# Altium PCB PCB1.PcbDoc (part 1 of 3) (continued)
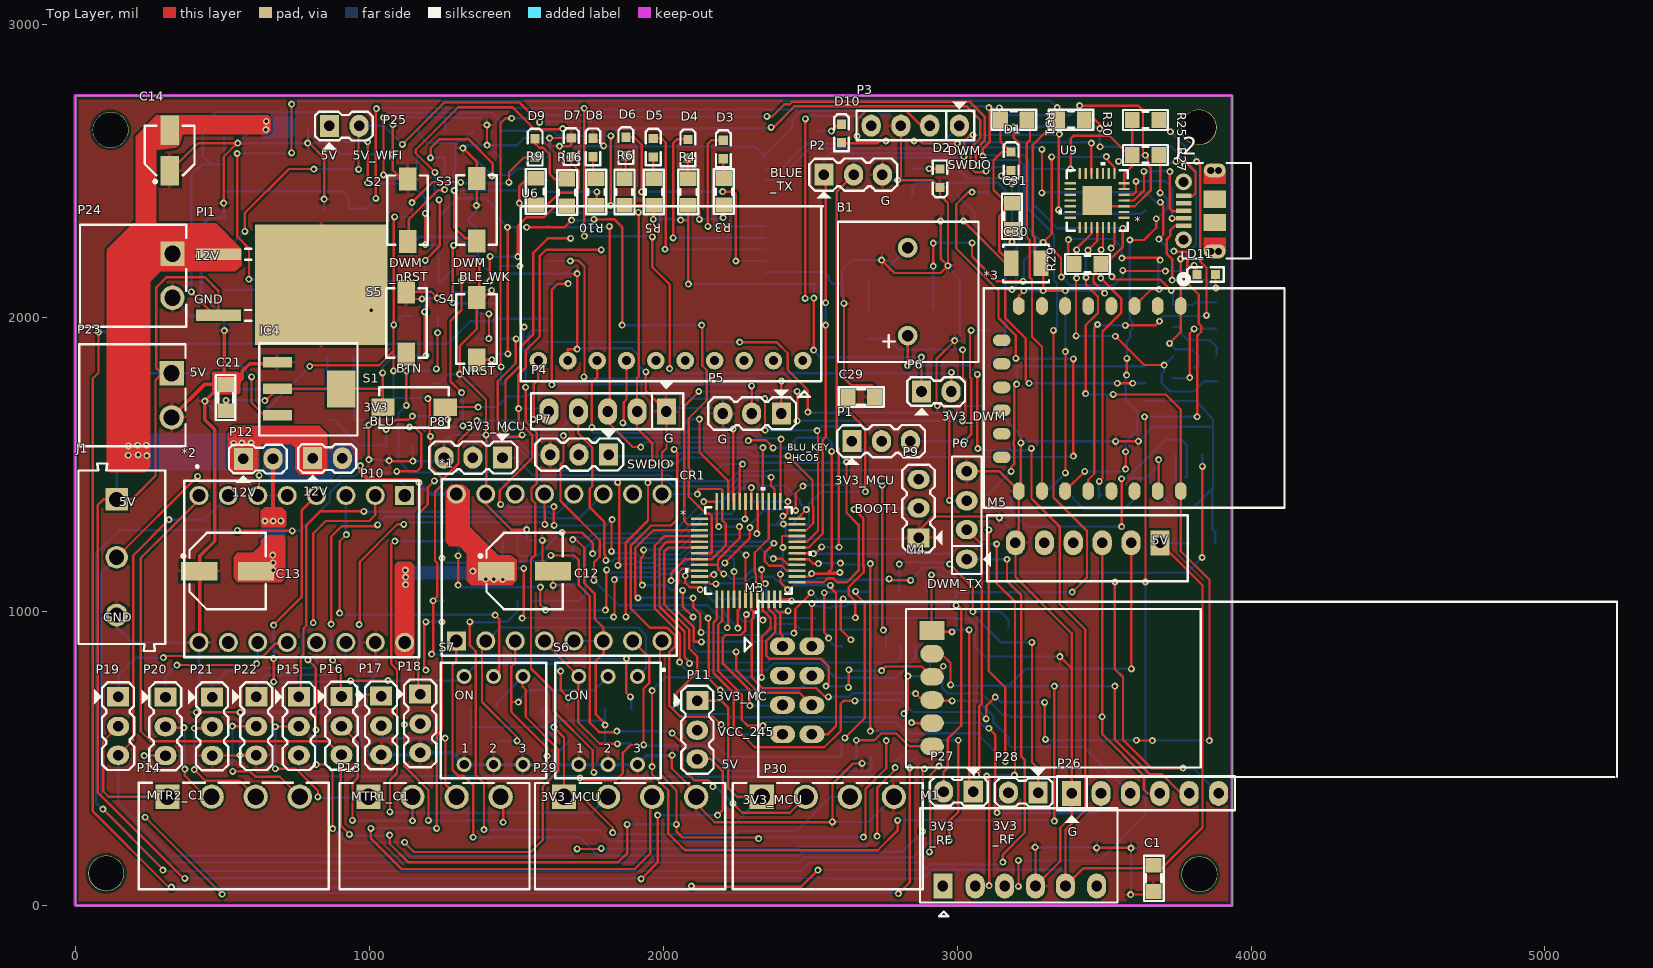
[diagram p0: Top Layer view]
## Footprints (in the part's own frame and the unit in brackets; to place one, negate y for a bottom-side part, rotate by r counter-clockwise, add the part's x,y. Pads: shape width x height; smd on the part's side, far side on the other; paste and mask are expansions set on the pad) (continued)
"CAP ALU SIZE B" [mm] "Capacitor, Aluminium Electrolytric, 4.3mm L X 4.3mm W X 5.4mm H, IPC Medium Density"
  rect 2.55x1.6 smd: 1(-1.75,0) 2(1.75,0)
  silkscreen extent -2.8,-2.15 2.15,2.15, body extent -2.75,-2.25 2.75,2.25, height 5.7
CAP-SM-0805 [mil]
  rect 50x55 smd: 1(0,0) 2(90,0)
  silkscreen extent -32,-34 122,33, body extent 4,-27 86,27, height 30
CAP-SM-AL-SIZE-D-D6L6 [mm] "WH6.6"
  rect 3.15x1.6 smd: 1(-2.45,0) 2(2.45,0)
  silkscreen extent -3.95,-3.3 3.3,3.3, body extent -3.9,-3.4 3.9,3.4, height 5.7
CONN_105017-0001 [mil]
  rect 16x53 smd: 1(-51.18,112) 2(-25.59,112) 3(0,112) 4(25.59,112) 5(51.18,112)
  round 57 hole 33: 6(-98.43,112.98) 7(98.43,112.98)
  rect 59x75 smd: 10(-39.37,6.69) 11(39.37,6.69)
  oval 48x75 smd mask+0: S_1(-137.8,6.69) S_2(137.8,6.69)
  round 24 hole 24: S_1_H1(-137.8,20.19) S_1_H2(-137.8,-6.81) S_2_H1(137.8,20.19) S_2_H2(137.8,-6.81)
  Top Layer region: -91.8,-30.81 -91.8,44.19 -137.8,44.19 -137.8,-30.81
  Top Layer region: 91.8,-30.81 91.8,44.19 137.8,44.19 137.8,-30.81
  Multi-Layer lines w24: -137.8,20.19 -137.8,-6.81 ; 137.8,20.19 137.8,-6.81
  silkscreen extent -247,-117 162,127, body extent -161,-95 161,118, height 108
cp2102-gm [mil]
  rect 38x8 smd paste+0 mask+0: 1(-91.5,59.06) 2(-91.5,39.37) 3(-91.5,19.69) 4(-91.5,0) 5(-91.5,-19.68) 6(-91.5,-39.37) 7(-91.5,-59.06) 15(91.5,-59.06) 16(91.5,-39.37) 17(91.5,-19.68) 18(91.5,0) 19(91.5,19.69) 20(91.5,39.37) 21(91.5,59.06)
  rect 8x38 smd paste+0 mask+0: 8(-59.06,-91.5) 9(-39.37,-91.5) 10(-19.68,-91.5) 11(0,-91.5) 12(19.69,-91.5) 13(39.37,-91.5) 14(59.06,-91.5) 22(59.06,91.5) 23(39.37,91.5) 24(19.69,91.5) 25(0,91.5) 26(-19.68,91.5) 27(-39.37,91.5) 28(-59.06,91.5)
  rect 100x100 smd paste-65.5 mask+0: 29(0,0)
  silkscreen extent -104,-130 130,104, body extent -98,-98 99,99, height 37
D2PAk [mil]
  rect 39x154 smd: 1(-103.94,-349.5) 3(103.94,-349.5)
  rect 411x451 smd: 2(0,0)
  silkscreen extent -122,-258 122,-239, body extent -204,-359 204,172, height 181
DRV8825 [mm]
  round 1.65 hole 1.1: 1(-6.35,-8.89) 2(-6.35,-6.35) 3(-6.35,-3.81) 4(-6.35,-1.27) 5(-6.35,1.27) 6(-6.35,3.81) 7(-6.35,6.35) 9(6.35,8.89) 10(6.35,6.35) 11(6.35,3.81) 12(6.35,1.27) 13(6.35,-1.27) 14(6.35,-3.81) 15(6.35,-6.35) 16(6.35,-8.89)
  rect 1.65x1.65 hole 1.1: 8(-6.35,8.89)
  silkscreen extent -8.95,-10.16 7.62,10.16, body extent -7.75,-10.03 7.49,10.29, height 11.48
DWM1001 [mm]
  rect 2.54x0.65 smd: 1(-9.115,4.085) 2(-9.115,3.085) 3(-9.115,2.085) 4(-9.115,1.085) 5(-9.115,0.085) 6(-9.115,-0.915) 7(-9.115,-1.915) 8(-9.115,-2.915) 9(-9.115,-3.915) 10(-9.115,-4.915) 11(-9.115,-5.915) 12(-9.115,-6.915) 13(-9.115,-7.915) 14(-9.115,-8.915) 15(-9.115,-9.915) 16(-9.115,-10.915) 17(-9.115,-11.915) 18(9.725,-11.915) 19(9.725,-10.915) 20(9.725,-9.915) 21(9.725,-8.915) 22(9.725,-7.915) 23(9.725,-6.915) 24(9.725,-5.915) 25(9.725,-4.915) 26(9.725,-3.915) 27(9.725,-2.915) 28(9.725,-1.915) 29(9.725,-0.915) 30(9.725,0.085) 31(9.725,1.085) 32(9.725,2.085) 33(9.725,3.085) 34(9.725,4.085)
  silkscreen extent -10.99,-13.07 9.72,13.06, body extent -9.23,-13.01 9.9,13.11, height 3.2
ESP8266 [mil]
  oval 60x40 smd: 1(0,551.18) 2(0,472.44) 3(0,393.7) 4(0,314.96) 5(0,236.22) 6(0,157.48) 7(0,78.74) 8(0,0) 15(629.92,0) 16(629.92,78.74) 17(629.92,157.48) 18(629.92,236.22) 19(629.92,314.96) 20(629.92,393.7) 21(629.92,472.44) 22(629.92,551.18)
  oval 40x60 smd: 9(117,-58) 10(197,-58) 11(277,-58) 12(355,-58) 13(435,-58) 14(515,-58)
  silkscreen extent -60,-120 687,904, body extent 1,-60 631,885, height 104
"GY 9250" [mil]
  round 60 hole 30: 1(0,900) 2(0,800) 3(0,700) 4(0,600) 5(0,500) 6(0,400) 7(0,300) 8(0,200) 9(0,100) 10(0,0)
  silkscreen extent -125,-68 525,960, body extent -60,-50 530,950, height 487
HC12 [mil]
  oval 80x60 smd: 1(0,0) 2(0,100) 3(0,200) 4(0,300) 5(0,400)
  silkscreen extent -47,-71 1043,453, body extent -47,-71 1043,453, height 1025
HC-05-06-SMD [mil]
  oval 60x40 smd: 1(0,710) 2(0,650) 3(0,590) 4(0,530) 5(0,470) 6(0,420) 7(0,360) 8(0,300) 9(0,240) 10(0,180) 11(0,120) 12(0,60) 13(0,0) 22(535,0) 23(535,60) 24(535,120) 25(535,180) 26(535,240) 27(535,290) 28(535,350) 29(535,410) 30(535,470) 31(535,530) 32(535,590) 33(535,650) 34(535,710)
  oval 40x60 smd: 14(60,-60) 15(120,-60) 16(180,-60) 17(240,-60) 18(300,-60) 19(360,-60) 20(420,-60) 21(480,-60)
  silkscreen extent -50,-138 588,1079, body extent -9,-68 543,1035, height 93
HC-05-06-TH [mil]
  rect 85x65 hole 36: 1(0,0)
  oval 85x65 hole 36: 2(0,110) 3(0,210) 4(0,315) 5(0,417) 6(0,523)
  silkscreen extent -265,-78 103,594, body extent -242,-49 16,581, height 1628
Holybro [mil]
  rect 85x65 hole 36: 1(0,0)
  oval 85x65 hole 36: 2(0,98.42) 3(0,196.85) 4(0,295.28) 5(0,393.7) 6(0,492.13)
  silkscreen extent -131,-94 94,589, body extent -134,-96 96,588, height 284
IRLML6402TRPBF [mil]
  rect 22x34 smd paste+0 mask+0: 1(-37.5,-47) 2(37.5,-47) 3(0,47)
  silkscreen extent -114,-55 64,33, body extent -59,-50 59,50, height 43
JP2 [mil]
  rect 65x75 hole 36: 1(0,0)
  oval 65x75 hole 36: 2(101,0)
  silkscreen extent -49,-81 148,48, body extent -48,-50 148,48, height 323
JP3 [mil] "Jumper 3"
  rect 65x75 hole 36: 1(-100,0)
  oval 65x75 hole 36: 2(1,0) 3(99,0)
  silkscreen extent -150,-81 149,55, body extent -150,-60 150,55, height 355
jp3 [mil] "Jumper 3"
  rect 65x75 hole 36: 1(-100,0)
  oval 65x75 hole 36: 2(1,0) 3(99,0)
  silkscreen extent -150,-81 149,55, body extent -150,-60 150,55, height 355
JP4 [mil] "Jumper 4"
  oval 65x75 hole 36: 1(-100,0) 2(1,0) 3(99,0) 4(200,0)
  silkscreen extent -150,-81 250,50, body extent -148,-48 248,50, height 323
JP5 [mil] "JP5"
  rect 65x90 hole 36: 1(0,0)
  oval 65x90 hole 36: 2(100,0) 3(200,0) 4(300,0) 5(400,0)
  silkscreen extent -57,-101 461,60, body extent -48,-53 448,45, height 323
JP6 [mil] "JP6"
  rect 65x85 hole 36: 1(0,0)
  oval 65x85 hole 36: 2(100,0) 3(200,0) 4(300,0) 5(400,0) 6(500,0)
  silkscreen extent -50,-99 556,58, body extent -48,-50 548,48, height 323
LC12S [mil]
  rect 85x65 smd: 1(0,0)
  oval 80x60 smd: 2(0,78.74) 3(0,157.48) 4(0,236.22) 5(0,314.96) 6(0,393.7)
  silkscreen extent -914,-73 89,466, body extent -914,-236 3,466, height 87
LED_0603_Blue [mm] "Chip LED, 2-Leads, Body 1.6x0.8mm, IPC Medium Density"
  rect 0.8x0.8 smd: 1(-0.8,0) 2(0.8,0)
  silkscreen extent -1.52,-0.64 1.65,0.64, body extent -0.8,-0.4 0.8,0.4, height 0.7
NRF24L01 [mil]
  oval 86x60 hole 36: 1(0,0) 2(-100,0) 3(0,100) 4(-100,100) 5(0,200) 6(-100,200) 7(0,300) 8(-100,300)
  silkscreen extent -2840,-155 129,445, body extent -2831,-155 82,445, height 3831
RES-SM-0805 [mil]
  rect 50x55 smd: 1(0,0) 2(90,0)
  silkscreen extent -31,-34 121,34, body extent -5,-24 95,25, height 20
SOT23_NEX [mil]
  rect 22x52 smd paste+0 mask+4: 1(-37.5,-37.21) 2(37.5,-37.21) 3(0,33.36)
  silkscreen extent -85,-50 64,33, body extent -59,-54 59,44, height 43
STM32F103C8T6 [mil]
  rect 58x9 smd paste+0 mask+0: 1(-166,108.27) 2(-166,88.58) 3(-166,68.9) 4(-166,49.21) 5(-166,29.53) 6(-166,9.84) 7(-166,-9.84) 8(-166,-29.53) 9(-166,-49.21) 10(-166,-68.9) 11(-166,-88.58) 12(-166,-108.27) 25(166,-108.27) 26(166,-88.58) 27(166,-68.9) 28(166,-49.21) 29(166,-29.53) 30(166,-9.84) 31(166,9.84) 32(166,29.53) 33(166,49.21) 34(166,68.9) 35(166,88.58) 36(166,108.27)
  rect 9x58 smd paste+0 mask+0: 13(-108.27,-166) 14(-88.58,-166) 15(-68.9,-166) 16(-49.21,-166) 17(-29.53,-166) 18(-9.84,-166) 19(9.84,-166) 20(29.53,-166) 21(49.21,-166) 22(68.9,-166) 23(88.58,-166) 24(108.27,-166) 37(108.27,166) 38(88.58,166) 39(68.9,166) 40(49.21,166) 41(29.53,166) 42(9.84,166) 43(-9.84,166) 44(-29.53,166) 45(-49.21,166) 46(-68.9,166) 47(-88.58,166) 48(-108.27,166)
  silkscreen extent -215,-215 215,215, body extent -180,-182 182,180, height 63
TAJB107M006RNJ [mil]
  rect 49.98x87 smd paste+0 mask+0: 1(-51.01,0) 2(51.01,0)
  silkscreen extent -78,-64 78,64, body extent -73,-59 73,59, height 85
XC6204B332MR [mil]
  rect 44.5x17 smd paste+0 mask+0: 1(-54.75,37.4) 2(-54.75,0) 3(-54.75,-37.4) 4(54.75,-37.4) 5(54.75,37.4)
  body extent -55,-57 55,57, height 51

## Part data
1 R2 R7 R8 R9 R10 R14 R15 R17 R18 R19 R20 R21 R22 R23 R24: "RES 1K OHM 1% 1/4W 0805", Manufacturer="Stackpole Electronics Inc", Manufacturer Part Number=RNCP0805FTD1K00, Supplier 1 Part Number=RNCP0805FTD1K00CT-ND, Local Supplier=thegioiic, Local Supplier Link=https://thegioiic.com/products/dien-tro-1k-ohm-0805-5, Supplier 1=Digikey, Supplier 1 Link=https://www.digikey.com/product-detail/en/stackpole-electronics-inc/RNCP0805FTD1K00/RNCP0805FTD1K00CT-ND/2240568
C1 C2 C3 C6 C7 C8 C9 C10 C24 C25 C26 C27 C29 C31 C32 C33 C34 C35: "CAP CER 1000PF 100V X7R 0805", Manufacturer="Johanson Dielectrics Inc.", Manufacturer Part Number=101X15W102MV4E, Supplier 1 Part Number=709-1335-1-ND, Local Supplier=thegioiic, Local Supplier Link=https://thegioiic.com/products/tu-1nf-50v-0805, Supplier 1=Digikey, Supplier 1 Link=https://www.digikey.com/product-detail/en/johanson-dielectrics-inc/101X15W102MV4E/709-1335-1-ND/2327235
C4 C5: "CAP CER 4.7UF 50V X5R 0805", Manufacturer="Murata Electronics", Manufacturer Part Number=GRM21BR61H475KE51L, Supplier 1 Part Number=490-10751-1-ND, Local Supplier=thegioiic, Local Supplier Link=https://thegioiic.com/products/tu-4-7uf-50v-0805-cap, Supplier 1=Digikey, Supplier 1 Link=https://www.digikey.com/product-detail/en/murata-electronics/GRM21BR61H475KE51L/490-10751-1-ND/5251349
C11 C15 C16 C17 C18 C19 C20 C21 C23: "CAP CER 10UF 50V X5R 0805", Manufacturer=Yageo, Manufacturer Part Number=CC0805KKX5R9BB106, Supplier 1 Part Number=311-3499-2-ND, Local Supplier=thegioiic, Local Supplier Link=https://thegioiic.com/products/tu-10uf-50v-0805, Supplier 1=Digikey, Supplier 1 Link=https://www.digikey.com/product-detail/en/yageo/CC0805KKX5R9BB106/311-3499-2-ND/7164383
C12: "CAP ALUM 100UF 20% 16V SMD", Manufacturer=Nichicon, Manufacturer Part Number=UWX1C101MCL1GB, Supplier 1 Part Number=493-2105-1-ND, Local Supplier=thegioiic, Local Supplier Link=https://thegioiic.com/products/tu-nhom-smd-100uf-16v-d6-3l5-4, Supplier 1=Digikey, Supplier 1 Link=https://www.digikey.com/product-detail/en/nichicon/UWX1C101MCL1GB/493-2105-1-ND/590080
C13: library part Cap-Al-100uF-16V-D6L5, "CAP ALUM 100UF 20% 16V SMD", Manufacturer=Nichicon, Manufacturer Part Number=UWX1C101MCL1GB, Supplier 1 Part Number=493-2105-1-ND, Local Supplier=thegioiic, Local Supplier Link=https://thegioiic.com/products/tu-nhom-smd-100uf-16v-d6-3l5-4, Supplier 1=Digikey, Supplier 1 Link=https://www.digikey.com/product-detail/en/nichicon/UWX1C101MCL1GB/493-2105-1-ND/590080
C14: "Polarized Capacitor (Radial)"
C22: "CAP CER 0.1UF 50V Y5V 0805", Manufacturer="Samsung Electro-Mechanics", Manufacturer Part Number=CL21F104ZBCNNNC, Supplier 1 Part Number=1276-1007-1-ND, Local Supplier=thegioiic, Local Supplier Link=https://thegioiic.com/products/tu-100nf-0-1uf-50v-0805, Supplier 1=Digikey, Supplier 1 Link=https://www.digikey.com/product-detail/en/samsung-electro-mechanics/CL21F104ZBCNNNC/1276-1007-1-ND/3889093
C28: "Capacitor"
J1: "WR-TBL Serie 102 Horizontal Entry Modular, Pressure Clamp, pitch 5mm, 3p", Operating Temperature="-40 to +105degC", Rated Current [UL]=15A, Working Voltage [UL]=250VAC, Application="Pressure Clamp", Compliance="Lead free / RoHS", ComponentLink1Description=Manufacturer, ComponentLink1URL=http://www.we-online.de, ComponentLink2Description=Datasheet, ComponentLink2URL=https://katalog.we-online.de/em/datasheet/691102710003.pdf, Modularity=Yes, Mounting Technology=THT, Packaging=Box, Part Number=691102710003, PCB/Cable/Panel=PCB, Pin Number=3, Pitch=5mm, Published Date="October 2019", Publisher="Wurth Elektronik", Type=Horizontal
J2 U2 U7 U8: "No Description Available", Copyright="Copyright (C) 2018 Accelerated Designs. All rights reserved", RefDes=RefDes, Type=DEV
  J2: Built_By=EMA_Cory, Datasheet=https://www.molex.com/pdm_docs/sd/1050170001_sd.pdf, Manufacturer_Part_Number=105017-0001, SourceLibrary=Molex_2020-05-26, Vendor="Molex Connector Corporation"
  U2: Built_By=EMA_UL_Team, Manufacturer_Part_Number=74HC245, SourceLibrary=TI_2002-01-01_7, Vendor="Texas Instruments"
  U7 U8: Built_By=EMA_Justin, Manufacturer_Part_Number=IRLML6402TRPBF, Source_Library=Infineon_2020-02-27.xlr, SourceLibrary=Infineon_2020-02-27, Vendor=Infineon
M5: library part Holybro, Supplier=https://www.lazada.vn/products/ld-holybro-433mhz-915-mhz-500-mw-thu-phat-vo-tuyen-xa-bo-v3-cho-pixhawk-4-dieu-khien-chuyen-bay-i430804435-s768474304.html?spm=a2o4n.searchlist.list.4.25396b19yIS9XO&search=1
P1 P2 P5 P7 P11 P15 P16 P17 P18 P19 P20 P21 P22: "Header, 3-Pin", LatestRevisionDate=17-Jul-2002, LatestRevisionNote="Re-released for DXP Platform.", Publisher="Altium Limited"
P3 P6: "Header, 4-Pin", LatestRevisionDate=17-Jul-2002, LatestRevisionNote="Re-released for DXP Platform.", Publisher="Altium Limited"
P4: "Header, 5-Pin", LatestRevisionDate=17-Jul-2002, LatestRevisionNote="Re-released for DXP Platform.", Publisher="Altium Limited"
P6 P10 P12 P25 P27 P28: "Header, 2-Pin", LatestRevisionDate=17-Jul-2002, LatestRevisionNote="Re-released for DXP Platform.", Publisher="Altium Limited"
P8 P9: library part "Header 3", "Header, 3-Pin", LatestRevisionDate=17-Jul-2002, LatestRevisionNote="Re-released for DXP Platform.", Publisher="Altium Limited"
P13 P14 P29 P30: "WR-TBL Serie 322 Horizontal PCB Header, Pluggable, pitch 3.81mm, 4p", Operating Temperature="-40 to +105degC", Rated Current [UL]=10A, Working Voltage [UL]=300VAC, Application=Pluggable, Compliance=RoHS, ComponentLink1Description=Manufacturer, ComponentLink1URL=http://www.we-online.de, ComponentLink2Description=Datasheet, ComponentLink2URL=https://katalog.we-online.de/em/datasheet/691322310004.pdf, Modularity=No, Mounting Technology=THT, Packaging=Box, Part Number=691322310004, PCB/Cable/Panel=PCB, Pin Number=4, Pitch=3.81mm, Published Date="October 2019", Publisher="Wurth Elektronik", Type=Horizontal
P23 P24: "WR-TBL Serie 322 Horizontal PCB Header, Pluggable, pitch 3.81mm, 2p", Operating Temperature="-40 to +105degC", Rated Current [UL]=10A, Working Voltage [UL]=300VAC, Application=Pluggable, Compliance=RoHS, ComponentLink1Description=Manufacturer, ComponentLink1URL=http://www.we-online.de, ComponentLink2Description=Datasheet, ComponentLink2URL=https://katalog.we-online.de/em/datasheet/691322310002.pdf, Modularity=No, Mounting Technology=THT, Packaging=Box, Part Number=691322310002, PCB/Cable/Panel=PCB, Pin Number=2, Pitch=3.81mm, Published Date="October 2019", Publisher="Wurth Elektronik", Type=Horizontal
P26: "Header, 6-Pin", LatestRevisionDate=17-Jul-2002, LatestRevisionNote="Re-released for DXP Platform.", Publisher="Altium Limited"
PI1: library part L7805-SMD_1, Manufacturer_Part_Number=L7805CD2T-TR, Built_By=EMA_UL_Team, Copyright="Copyright (C) 2018 Accelerated Designs. All rights reserved", RefDes=RefDes, Type=DEV, Vendor=STMicroelectronics
R1 R3 R4 R5 R6 R11 R13 R16 R25 R27 R29 R30 R31 R33 R35: "RES 0 OHM JUMPER 0805", Manufacturer="Vishay Dale", Manufacturer Part Number=WSL080500000ZEA9, Supplier 1 Part Number=541-3928-1-ND, Local Supplier=thegioiic, Local Supplier Link=https://thegioiic.com/products/dien-tro-0-ohm-0805-5, Supplier 1=Digikey, Supplier 1 Link=https://www.digikey.com/product-detail/en/vishay-dale/WSL080500000ZEA9/541-3928-1-ND/7423223
R12: "RES 12 KOHM JUMPER 0805", Manufacturer="Vishay Thin Film", Manufacturer Part Number=PAT0805E3121BST1, Supplier 1 Part Number=PAT0805E3121BST1-ND, Local Supplier=icdayroi, Local Supplier Link=https://icdayroi.com/dien-tro-12k-0805-1-goi-50-con, Supplier 1=Digikey, Supplier 1 Link=https://www.digikey.com/product-detail/en/vishay-thin-film/PAT0805E3121BST1/PAT0805E3121BST1-ND/2281536
R26 R28 R32 R34: "RES 470 OHM JUMPER 0805", Manufacturer=YAG6006CT-ND, Manufacturer Part Number=PE0805FRF7W0R047L, Local Supplier=thegioiic, Local Supplier Link=https://www.thegioiic.com/products/dien-tro-470-kohm-0805-5, Supplier 1=Digikey, Supplier 1 Link=https://www.digikey.com/product-detail/en/yageo/PE0805FRF7W0R047L/YAG6006CT-ND/9696460, Supplier 1 Part Number=YAG6006CT-ND
S1 S2 S3 S4 S5: "WS-TASV J-Bend SMT Tact Switch 6x3.5mm, height 4.3mm, 260gf", Operating Temperature="-40 to +85degC", Rated Current=50mA, Rated Voltage=12VDC, ComponentLink1Description=Manufacturer, ComponentLink1URL=http://www.we-online.de, ComponentLink2Description=Datasheet, ComponentLink2URL=https://katalog.we-online.com/em/datasheet/434113043826.pdf, Contact Material="Stainless Steel", Contact Plating=Silver, Height=4.3mm, Mounting Technology=SMT, Operation Force=260gf, Packaging="Tape and Reel", Part Number=434113043826, Published Date="September 2019", Publisher="Wurth Elektronik", Terminal Material="Copper Alloy", Terminal Plating=Silver, Washable=No
S6 S7: "WS-DITV Compact THT Dip Switch, Flat Actuator, pitch 2.54mm, 3p", Operating Temperature="-40 to +85degC", Rated Current Non-Switching=100mA, Rated Current Switching=25mA, Rated Voltage Non-Switching=50VDC, Rated Voltage Switching=24VDC, Actuator Type="Flat Type", Circuit=SPST-NO, ComponentLink1Description=Manufacturer, ComponentLink1URL=http://www.we-online.de, ComponentLink2Description=Datasheet, ComponentLink2URL=https://katalog.we-online.com/em/datasheet/418117170903.pdf, Contact Material="Copper Alloy", Contact Plating=Gold, Mounting Technology=THT, Operation Force=800g, Packaging=Tube, Part Number=418117170903, Pitch=2.54mm, Pole Number=3, Published Date="September 2019", Publisher="Wurth Elektronik"
U1: Manufacturer_Name="Decawave Limited", Arrow Part Number=DWM1001, Datasheet Link=https://www.decawave.com/sites/default/files/dwm1001_datasheet.pdf, Height=3mm, Manufacturer_Part_Number=DWM1001
*3: Local supply=Hshop, Local supply link=https://www.elecrow.com/download/ESP-12F.pdf
C30: Built_By=EMA_UL_Team, Copyright="Copyright (C) 2018 Accelerated Designs. All rights reserved", Manufacturer_Part_Number=TAJB107M006RNJ, RefDes=RefDes, SourceLibrary=AVX_2015-1-12, Type=DEV, Vendor="AVX Corporation"
CR1: Built_By=EMA_UL_Team, Copyright="Copyright (C) 2018 Accelerated Designs. All rights reserved", Manufacturer_Part_Number=STM32F103C8T6, RefDes=RefDes, SourceLibrary=StMicro_2011-06-07, Type=DEV, Vendor=STMicroelectronics
IC1 IC2 IC3 IC4: Built_By=EMA_Matt, Copyright="Copyright (C) 2018 Accelerated Designs. All rights reserved", Manufacturer_Part_Number=AMS1117, RefDes=RefDes, SourceLibrary=Advanced_Monolithic_Systems_10-16-2019, Type=DEV, Vendor="Advanced Monolithic Systems"
M2: Local supply=Hshop
M3: Local supply=Hshop, Local supply link=https://lastminuteengineers.com/nrf24l01-arduino-wireless-communication/
M4: Local supply=HShop, Local supply link=https://hshop.vn/products/mach-thu-phat-rf-uart-lc12s-2-4ghz
M6: Local supply=Hshop, Local supply link=https://hshop.vn/products/mach-thu-phat-rf-uart-si4463-433mhzkhoang-coch-1km, Local supply number=HS000897
U4: Built_By=EMA_UL_Team, Copyright="Copyright (C) 2018 Accelerated Designs. All rights reserved", Manufacturer_Part_Number=XC6204B181MR, RefDes=RefDes, SourceLibrary=Torex_2016-07-05_1, Type=DEV, Vendor="Torex Semiconductor"
U5: Copyright="Copyright (C) 2016 Accelerated Designs. All rights reserved", Manufacturer_Part_Number=74HC14D,652, RefDes=RefDes, SourceLibrary=Nexperia_2018-05-2018, Type=DEV, Vendor=Nexperia
U9: Built_By=EMA_UL_Team, Copyright="Copyright (C) 2018 Accelerated Designs. All rights reserved", Manufacturer_Part_Number=CP2102-GM, RefDes=RefDes, SourceLibrary=Silicon_Labs_2015-03-23, Type=DEV, Vendor="Silicon Labs"

## Free pads (board coordinates)
  round 122.05 hole 118.11: H1(3824.5,106.5) H2(3822.5,2648.5) H3(103.5,109.5) H4(118.5,2639.5)

## Via types
v1: diameter 23.62, hole 11.81, Top Layer to Bottom Layer, tented both sides, 616 vias
v2: diameter 23.62, hole 11.81, Top Layer to Bottom Layer, 2 vias

## Nets (pads, with @x,y where several pads share a name; then routed paths per layer and width w, separated by ;. In a path a pad name is that pad's centre, name@x,y a point inside that pad or via, vN(x,y) a via of type N, cw(c..) or ccw(c..) an arc to the next point about the centre after c; other vN are vias at no path point)
"3V3 MCU": P8.1 P9.3 | length 1478.1
  Bottom Layer w8: P8.1@1452.5,1524.5 1496.96,1524.5 1556.77,1464.69 2021.09,1464.69 2042.27,1443.5 2222.62,1443.5 2257.81,1478.69 2353.85,1478.69 2356.64,1481.47 2837.53,1481.47 P9.3@2868.5,1450.5
3v3_BLU: C21.2 IC4.2 IC4.4 M2.12 S1.1 | length 5238.7
  Top Layer w8: v1(643.5,1718.5) 646.5,1718.5 IC4.2@686.5,1758.5 IC4.4@903.5,1758.5 1034.5,1758.5 1045.2,1747.8 ; v1(1044.5,1812.5) 1045.2,1811.8 1045.2,1747.8 ; S1.1@1045.2,1695.5 1045.2,1747.8 ; v1(1187.5,2020.5) 1187.5,1876.5 v1(1192.5,1871.5) ; v1(1189.5,2195.5) 1238.5,2244.5 1238.5,2399.5 v1(1236.5,2401.5) ; v1(1222.5,2495.5) 1157.5,2560.5 1157.5,2572.5 1302.12,2717.12 1486.17,2717.12 1561.61,2641.69 1654.69,2641.69 v1(1657.5,2644.5) v1@1658.5,2644.5 ; v1(2366.5,2648.31) 2374.31,2648.31 2446,2720 3032,2720 3078.31,2673.69 3078.31,2611.64 3046.69,2580.02 3046.69,2510.64 3061.64,2495.69 3094.69,2495.69 v1(3098.5,2499.5) ; v1(3186.5,2096.5) 3185.5,2097.5 3163.5,2097.5 3163.5,1999.5 3233.5,1929.5 3233.5,1788.62 v1(3244.5,1777.62) ; v1(3545.5,1777.62) v1(3597.31,1777.62)
  Bottom Layer w8: v1(511.5,1719.5) 642.5,1719.5 v1(643.5,1718.5) ; v1(1044.5,1812.5) 1044.5,1833.5 1082.5,1871.5 v1(1192.5,1871.5) ; v1(1187.5,2020.5) 1187.5,2039.83 1202.31,2054.64 1202.31,2074.36 1198.5,2078.17 1198.5,2098.5 1189.5,2107.5 v1(1189.5,2195.5) ; v1(1222.5,2495.5) 1222.5,2415.5 v1(1236.5,2401.5) ; v1(1657.5,2644.5) 1658.5,2645.5 2363.69,2645.5 v1(2366.5,2648.31) ; v1(3098.5,2499.5) 3106.45,2499.5 3120.45,2513.5 3197.5,2513.5 3210.31,2500.69 3210.31,2248.64 3200.69,2239.02 3200.69,2110.69 v1(3186.5,2096.5) ; v1(3244.5,1777.62) v1(3545.5,1777.62) ; v1(3597.31,1777.62) 3597.54,1777.39 M2.12@3640.5,1777.39 M2.12@3638.39,1779.5
3v3_DWM: C19.2 IC3.2 IC3.4 P6.2@2979.5,1749.5 | length 3779
  Top Layer w8: v1(1021.5,2406.5) 1021.5,2710.5 v1(1023.5,2712.5) ; v1@1731,2717.5 1731,2279 v1(1731.5,2278.5) ; v1(1962.5,2275.5) 1962.5,2172.5 2021.5,2113.5 v1(2021.5,1827.5) ; P6.2@2979.5,1749.5 2979.5,1813.5 v1(2980.5,1814.5)
  Bottom Layer w8: IC3.2@505,2431.5 IC3.4@722,2431.5 907.5,2431.5 929.5,2409.5 929.5,2371.5 986.5,2371.5 v1(1021.5,2406.5) ; v1(1023.5,2712.5) 1054.78,2712.5 1056.78,2714.5 1725.5,2714.5 1730.5,2719.5 v1@1731,2719.5 ; v1(1731.5,2278.5) 1730.5,2277.5 1958.5,2277.5 1959.5,2278.5 v1(1962.5,2275.5) ; v1(2021.5,1827.5) 2021.5,1819.5 2029.5,1811.5 2977.5,1811.5 v1(2980.5,1814.5)
  other v1: 1730.5,2713.5
3V3_DWM_M: C3.2 P3.4 P6.1@2878.5,1749.5 R3.2 R4.2 R5.2 R6.1 R7.2 R8.2 U1.12 | length 4263.8
  Top Layer w8: v1(1047.5,2486.5) v1(1047.5,2681.5) ; v1(1821.5,2619.5) 1821.5,2383.5 v1(1820.5,2382.5) 1866.5,2382.5 R6.1@1867.5,2383.5 R5.2@1967.5,2383.5 1967.5,2337.5 v1(1965.5,2335.5) ; v1(2058.5,2332.5) 2085,2332.5 ; R4.2@2084.2,2383.5 R4.2@2085.13,2382.57 ; v1(2085.13,2114.87) R4.2@2085.13,2382.57 ; v1(2122.5,2335.5) 2122.5,2365.5 2107,2381 2086.7,2381 R4.2@2085.13,2382.57 ; v1(2203.5,2341.5) 2205.5,2343.5 R3.2@2205.5,2384.5 ; v1(2482.5,2066.5) v1@2482.5,2671.5 ; v1(2511.5,1890.5) 2511.5,2066.5 v1(2512.5,2067.5) ; v1(2878,1866.5) 2878.5,1866 P6.1@2878.5,1749.5
  Bottom Layer w8: v1(1047.5,2486.5) 1047.5,2475.5 1128.5,2475.5 1161.5,2508.5 R7.2@1161.5,2547.5 ; v1@1047.5,2682.59 1063.41,2698.5 1416.59,2698.5 1444.5,2670.59 R8.2@1444.5,2636.5 1444.81,2636.81 1623.27,2636.81 1640.58,2619.5 v1(1821.5,2619.5) ; v1(1965.5,2335.5) 2055.5,2335.5 v1(2058.5,2332.5) ; v1(2085.13,2114.87) U1.12@2346.23,2114.87 2516.87,2114.87 C3.2@2517.5,2115.5 ; v1(2122.5,2335.5) 2114.56,2335.5 2113.53,2336.53 2161.78,2336.53 ; 2161.81,2336.5 2198.5,2336.5 v1(2203.5,2341.5) ; v1(2482.5,2066.5) 2511.5,2066.5 v1(2512.5,2067.5) C3.2@2512.5,2110.5 ; v1(2483.5,2677.5) 2494.5,2688.5 2667.5,2688.5 2701.5,2654.5 P3.4@2707.5,2654.5 ; v1(2511.5,1890.5) 2511.5,1888.5 2533.5,1866.5 v1@2866.5,1866.5
3V3_MC: *1.3 *1.4 *2.3 *2.4 C8.2 C9.2 C10.2 C18.2 C20.2 C28.2 C29.2 CR1.9 CR1.24 CR1.36 CR1.48 D9.1 IC2.2 IC2.4 P11.1 P29.1 P30.1 R11.2 R13.2 R17.2 R18.2 R19.2 R20.2 R21.2 R22.2 U5.14 U6.1 | length 10828.4
  Top Layer w8: *2.3@619.5,1395.5 623.97,1399.97 v2(623.97,1463.79) ; v1(796.5,1835.5) 799.5,1838.5 1033.2,1838.5 1081.5,1886.8 ; v1(1081.5,1819.5) 1081.5,1886.8 ; v1(1085.5,2343.5) 1082.97,2340.97 1082.97,1976.97 1081.5,1975.5 1081.5,1886.8 ; v1(1144.5,2392.5) 1214.31,2462.31 v1@1305.31,2462.31 ; v1(1198.5,1725.5) 1205.43,1718.57 1205.43,1598.57 v1(1207.5,1596.5) 1207.5,1493.5 1230.69,1470.31 1230.78,1470.31 1245.31,1455.78 1245.31,1455.69 1249.5,1451.5 1302.5,1504.5 1302.5,1580.41 1365.5,1643.41 v1(1365.5,1650.5) ; v1(1211.5,855.5) 1216.31,860.31 v1(1216.31,1037.31) 1230.5,1051.5 1230.5,1164.83 1222.69,1172.64 1222.69,1407.69 1248.5,1433.5 1248.5,1450.5 ; v1(1474.5,2461.5) 1474.41,2461.59 1474.41,2495.41 1525,2546 D9.1@1563.5,2546 ; v1(1557.5,1654.5) 1559.5,1654.5 1558.5,1655.5 1558.5,1773.5 1574.5,1789.5 U6.1@1574.5,1854.5 ; v1(1627.5,607.5) 1627.5,606.5 1661.7,572.3 P29.1@1661.7,369.98 1722.02,369.98 1827.5,264.5 v1(1827.5,248.5) ; v1(1691.5,1245.5) 1696.5,1245.5 1699.5,1248.5 1730.5,1217.5 1730.5,1097.67 1766.02,1062.15 1766.02,975.98 1795.5,946.5 *1.3@1795.5,900.5 1796.5,899.5 1796.5,858.5 1769.5,831.5 1769.5,651.5 1806.5,614.5 v1(1801.5,614.5) ; P11.1@2115.5,697.5 2196,697.5 2221.31,672.19 2221.31,399.14 2250.48,369.98 P30.1@2334.74,369.98 ; CR1.9@2123.5,1159.29 2183.71,1159.29 ; v1(2137.5,1374.5) CR1.48@2181.23,1374.5 2181.23,1287.77 2182.5,1286.5 2185.5,1289.5 v1(2188.5,1289.5) ; 2195.69,1136.31 2203.5,1128.5 v1(2205.5,1128.5) ; 2195.69,1136.33 2185.69,1146.33 2185.69,1157.31 2183.71,1159.29 ; v1(2258.5,1289.5) 2259.52,1288.48 2259.52,1250.2 2185.69,1176.36 2185.69,1161.27 2183.71,1159.29 ; v1(2334.5,1143.5) 2334.5,1108.5 v1(2347.5,1095.5) ; CR1.24@2397.77,1042.5 v1@2439.5,1042.5 ; CR1.36@2455.5,1316.77 2456.44,1316.77 2486.5,1346.83 v1(2486.5,1347.5) ; C29.2@2628.5,1730.5 2628,1730 2628,1682.38 2687,1623.38 2687,1409 v1(2687.5,1408.5)
  Bottom Layer w8: IC2.2@503,1757.5 IC2.4@720,1757.5 ; *2.3@616,1399 *2.3@619.5,1395.5 *2.4@719.5,1395.5 ; v2(623.97,1463.79) 623.97,1661.47 IC2.4@720,1757.5 ; v1(796.5,1835.5) 796.5,1834 IC2.4@720,1757.5 ; C18.2@855.5,1869.5 855.5,1762.5 C20.2@854.5,1761.5 850.5,1757.5 IC2.4@720,1757.5 ; v1(1081.5,1819.5) 1081.5,1727.31 1196.69,1727.31 v1(1198.5,1725.5) ; v1(1082.41,1976.5) 1112.41,2006.5 R13.2@1142.5,2006.5 ; v1(1085.5,2343.5) R11.2@1144.5,2343.5 v1(1144.5,2392.5) ; v1(1211.5,855.5) 1210.5,854.5 1649.5,854.5 *1.4@1695.5,900.5 *1.3@1795.5,900.5 ; v1(1216.31,1037.31) 1246.81,1037.31 1250,1040.5 U5.14@1253.5,1037 ; v1(1310.5,2461.5) 1313.31,2458.69 1471.69,2458.69 v1(1474.5,2461.5) ; R22.2@1343.5,670.5 1345.5,668.5 1345.5,607.5 ; R19.2@1344.5,554.5 1345.5,555.5 1345.5,607.5 ; v1(1365.5,1650.5) 1553.5,1650.5 v1(1557.5,1654.5) ; R18.2@1587.5,556.5 1627.5,596.5 v1(1627.5,607.5) ; C28.2@1693.5,1179.5 1691.5,1181.5 v1(1691.5,1245.5) 1684.5,1252.5 1745.04,1252.5 1758.97,1266.42 2029.42,1266.42 v1(2137.5,1374.5) C10.2@2202.5,1374.5 2202.5,1378.13 2270.68,1446.31 2309.36,1446.31 2327.17,1428.5 2414.5,1428.5 2464.5,1378.5 2464.5,1369.5 v1(2486.5,1347.5) 2486.5,1346.83 2460.36,1320.69 2459.69,1320.69 2444,1305 C9.2@2453.5,1295.5 2488.5,1295.5 2495.5,1302.5 2495.5,1366.5 2536.5,1407.5 2686.5,1407.5 v1(2687.5,1408.5) ; R17.2@1797.5,552.5 1801.5,556.5 v1(1801.5,614.5) 1800.7,615.3 1800.7,628.5 ; R20.2@1800.7,669.19 1800.7,628.5 ; v1(1827.5,248.5) 1833.5,242.5 2207.26,242.5 P30.1@2334.74,369.98 ; v1(2188.5,1289.5) v1(2258.5,1289.5) ; v1(2205.5,1128.5) 2211.12,1128.5 2213.12,1130.5 2216.69,1126.93 2216.69,1126.64 2230.64,1112.69 2272.36,1112.69 2303.17,1143.5 v1(2334.5,1143.5) ; v1(2347.5,1095.5) 2349.5,1093.5 C8.2@2349.5,1044.5 ; C8.2@2349.5,1042.5 C8.2@2349.5,1044.5 ; v1(2436.5,1037) 2357,1037 C8.2@2349.5,1044.5 ; 1345.5,607.5 v1(1627.5,607.5) ; v1(1627.5,607.5) 1585.5,649.5 R21.2@1585.5,669.5 1604.5,669.5 1645.5,628.5 1800.7,628.5
3V3_RF: C23.2 C24.2 M3.2 P27.2 P28.2 U4.5 | length 7041.6
  Top Layer w8: v1(1447.5,1833.5) 1445.69,1835.31 1445.69,2662.69 1462.5,2679.5 v1(1483.5,2679.5) ; v1(1512.5,2176.5) 1512.5,1983 v1(1526.5,1969) ; M3.2@2505.5,882.5 v1(2505.5,1027.5) ; P27.2@2953.5,387.5 2953.5,454.41 2967.5,468.41 2967.5,566.5 3013.5,612.5 3013.5,1011.14 3003.14,1021.5 v1(2996.5,1021.5) ; v1(3086.5,2550.5) 3086.5,2574.57 3110.31,2598.38 3110.31,2712.69 v1(3107.5,2715.5) ; v1(3327.5,1957.5) 3327.5,1388.5 3441.5,1274.5 3441.5,1116.5 v1(3391.5,1066.5)
  Bottom Layer w8: U4.5@1443.25,2172.1 1447.65,2176.5 v1(1512.5,2176.5) ; v1(1447.5,1833.5) 1447.5,1776.5 1449.5,1774.5 C23.2@1448.5,1773.5 1451.5,1773.5 1513.5,1835.5 1513.5,1879.77 1523.5,1889.77 1523.5,1966 v1(1526.5,1969) ; v1(1483.5,2679.5) 1558.83,2679.5 1568.64,2689.31 1751.68,2689.31 1771.68,2709.31 2451.68,2709.31 2462.87,2720.5 2680.75,2720.5 2681.25,2720 3103,2720 v1(3107.5,2715.5) ; v1(2505.5,1027.5) 2514,1019 2547.47,1019 2553.97,1012.5 2571.03,1012.5 2577.53,1019 2620.67,1019 2629.17,1027.5 2990.5,1027.5 v1@2995.5,1022.5 ; P27.2@2953.5,387.5 3008.5,332.5 3116.41,332.5 3168.41,384.5 P28.2@3174.5,384.5 ; v1(2996.5,1021.5) v1@2995.5,1022.5 ; v1(3086.5,2550.5) 3089.31,2553.31 3224.69,2553.31 3242.31,2535.69 3242.31,2370.69 3329.69,2283.31 3329.69,2128.22 3339.5,2118.41 3339.5,1969.5 v1(3327.5,1957.5) ; v1(3391.5,1066.5) C24.2@2995.5,1066.5 v1@2995.5,1022.5
3v3_WIFI: *3.8 C17.2 C30.2 C32.2 C33.2 IC1.2 IC1.4 R25.1 R27.1 R28.1 R29.1 R30.1 U9.6 U9.7 | length 7353.9
  Top Layer w8: v1(549.5,2559.5) 549.5,2276.5 589.5,2236.5 v1(589.5,2131.5) ; v1(734.5,2561.5) v1(734.5,2727.5) ; *3.8@3209.8,2040.5 3209.8,2075.8 v1(3226.5,2092.5) ; v1(3292.5,2092.5) v1(3368.5,2092.5) ; 3292.5,2104.48 3292.5,2178.51 C30.2@3285.51,2185.5 3264.5,2206.51 3264.5,2272.5 3257.5,2279.5 3257.5,2589.5 R30.1@3342.5,2674.5 3340.5,2676.5 v2(3340.5,2715.5) ; v1(3368.5,1472.5) v1(3368.5,1885.5) ; v1(3385.5,2506.5) v1@3386.5,2505.5 ; v1@3386.5,2509.5 3386.5,2610.5 3395.5,2619.5 3518.87,2619.5 3583.87,2554.5 R27.1@3595.5,2554.5 ; v1(3501.5,2084.5) 3463.69,2122.31 3463.69,2145.78 3478.22,2160.31 3488.5,2160.31 R29.1@3488.5,2183.5 3505.5,2183.5 3535.69,2213.69 3535.69,2213.78 3550.22,2228.31 3550.31,2228.31 3563.99,2241.99 v1(3563.99,2305.01) ; U9.6@3568,2438.87 U9.7@3568,2458.56 3568,2489.83 3595.5,2517.33 R27.1@3595.5,2554.5 ; R25.1@3595.5,2673.5 R27.1@3595.5,2554.5
  Bottom Layer w8: IC1.2@506,2095.5 IC1.4@723,2095.5 ; v1(549.5,2559.5) 732.5,2559.5 v1(734.5,2561.5) ; v1(589.5,2131.5) 687,2131.5 IC1.4@723,2095.5 ; v1(734.5,2727.5) 745.31,2738.31 1740.86,2738.31 ; C17.2@859.5,2026.5 859.5,2124.5 C32.2@860.5,2125.5 ; C33.2@861.5,2235.5 861.5,2126.5 C32.2@860.5,2125.5 ; 1744.67,2738.5 3096.83,2738.5 3097.64,2739.31 3117.36,2739.31 3118.17,2738.5 3317.5,2738.5 v2(3340.5,2715.5) ; v1(3226.5,2092.5) v1(3292.5,2092.5) ; R28.1@3273.5,1390.5 3286.5,1390.5 v1(3368.5,1472.5) ; v1(3368.5,1885.5) v1(3368.5,2092.5) 3493.5,2092.5 v1(3501.5,2084.5) ; v1(3385.5,2506.5) 3258.31,2506.5 3258.31,2387.69 3340.99,2305.01 v1(3563.99,2305.01) ; IC1.4@723,2095.5 753,2125.5 C32.2@860.5,2125.5
5V: B1.1 C1.2 C16.2 C22.2 C26.2 IC2.3 IC3.3 IC4.3 J1.1 M1.5 M5.1 P11.3 P23.1 P25.1 PI1.3 R23.2 U4.1 | length 13973.2
  Top Layer w8: P23.1@326.5,1811.5 P23.1@295.36,1811.5 ; v1(371.5,92.5) 367.5,92.5 74.5,385.5 74.5,1362.5 94.2,1382.2 J1.1@139.5,1382.2 191.2,1382.2 271.5,1462.5 271.5,1787.64 P23.1@295.36,1811.5 ; v1(393.5,2088.5) 473.44,2008.56 PI1.3@486,2008.56 486,2092 439.5,2138.5 308.5,2138.5 274.5,2104.5 274.5,1828.5 291.5,1811.5 P23.1@295.36,1811.5 ; v1(598.5,1799.5) 598.5,1711.5 641.66,1668.34 IC4.3@686.5,1668.34 ; v1(993.5,2459.5) v1(993.5,2599.5) ; v1(1189.5,2249.5) v1(1189.5,2355.5) ; v1(1924.5,90.5) 1980.5,146.5 v1(1980.5,307.5) ; P11.3@2142.5,498.5 P11.3@2115.5,498.5 2116.5,499.5 2159.5,499.5 2202.5,456.5 2202.5,325.5 v1(2184.5,307.5) ; v1@2831.5,1833.5 v1(2831.5,1837.5) B1.1@2831.5,1939.5 ; v1(3068.5,1807.5) 3068.5,1557.5 v1(3070.5,1555.5) ; v1(3252.8,1556.06) 3252.8,1385.2 3349.5,1288.5 3349.5,1025.5 3435.5,939.5 3435.5,324.5 3368.5,257.5 M1.5@3368.5,66.5 3428.5,126.5 3667.5,126.5 3695.5,126.5 3835,266 3835,551.33 3834.69,551.64 3834.69,571.36 3835,571.67 3835,1089.85 M5.1@3690.35,1234.5
  Bottom Layer w8: J1.1@139.5,1382.2 139.5,1729.5 221.5,1811.5 P23.1@326.5,1811.5 496.5,1811.5 503,1818 IC2.3@503,1847.66 550.34,1847.66 v1(598.5,1799.5) ; v1(371.5,92.5) 1922.5,92.5 v1(1924.5,90.5) 1929.7,95.7 2883.31,91.7 2913.62,122 2989.38,122 2989.88,121.5 3042.15,121.5 3042.65,122 3080.35,122 3080.85,121.5 3142.15,121.5 3142.65,122 3180.35,122 3180.85,121.5 3247.15,121.5 3247.65,122 3357,122 3368.5,110.5 M1.5@3368.5,66.5 ; v1(393.5,2088.5) 393.5,2484.5 431.16,2522.16 IC3.3@460.84,2522.16 ; C16.2@504.5,2647.5 504.5,2522.16 IC3.3@460.84,2522.16 ; v1(993.5,2459.5) 995.5,2457.5 1140.5,2457.5 1189.5,2408.5 v1(1189.5,2355.5) ; v1(993.5,2599.5) 917.5,2599.5 P25.1@863.5,2653.5 863.5,2678.5 842.5,2699.5 475.5,2699.5 432.5,2656.5 432.5,2550.5 IC3.3@460.84,2522.16 ; v1(1189.5,2249.5) 1191.5,2247.5 1234.5,2247.5 R23.2@1234.5,2204.5 1235.5,2203.5 C22.2@1235.5,2117.5 ; C22.2@1235.5,2115.5 C22.2@1235.5,2117.5 ; U4.1@1331.15,2169.5 U4.1@1333.75,2172.1 1290.1,2172.1 C22.2@1235.5,2117.5 ; v1(1980.5,307.5) v1(2184.5,307.5) ; v1@2834.31,1834.69 v1(2831.5,1837.5) 2833.31,1839.31 3038.69,1839.31 3062.5,1815.5 v1@3062.5,1806.5 ; v1@3077.5,1549.69 3244.43,1549.69 3245.43,1548.69 v1(3252.8,1556.06) ; M5.1@3690.35,1234.5 3737.5,1234.5 3739.5,1232.5 C26.2@3788.5,1232.5